# Altium PCB ЕРКФ.758725.093Д11_МОСК.PcbDoc (part 2 of 3)
Units mm, origin at the board's own origin, x right, y up, seen from the top; angles counter-clockwise.
Board outline 119 x 103.3 mm, 2 copper layers (Top, Bottom), stack 1.571 mm thick; 306 components, 217 nets, 981 pads, 395 vias.
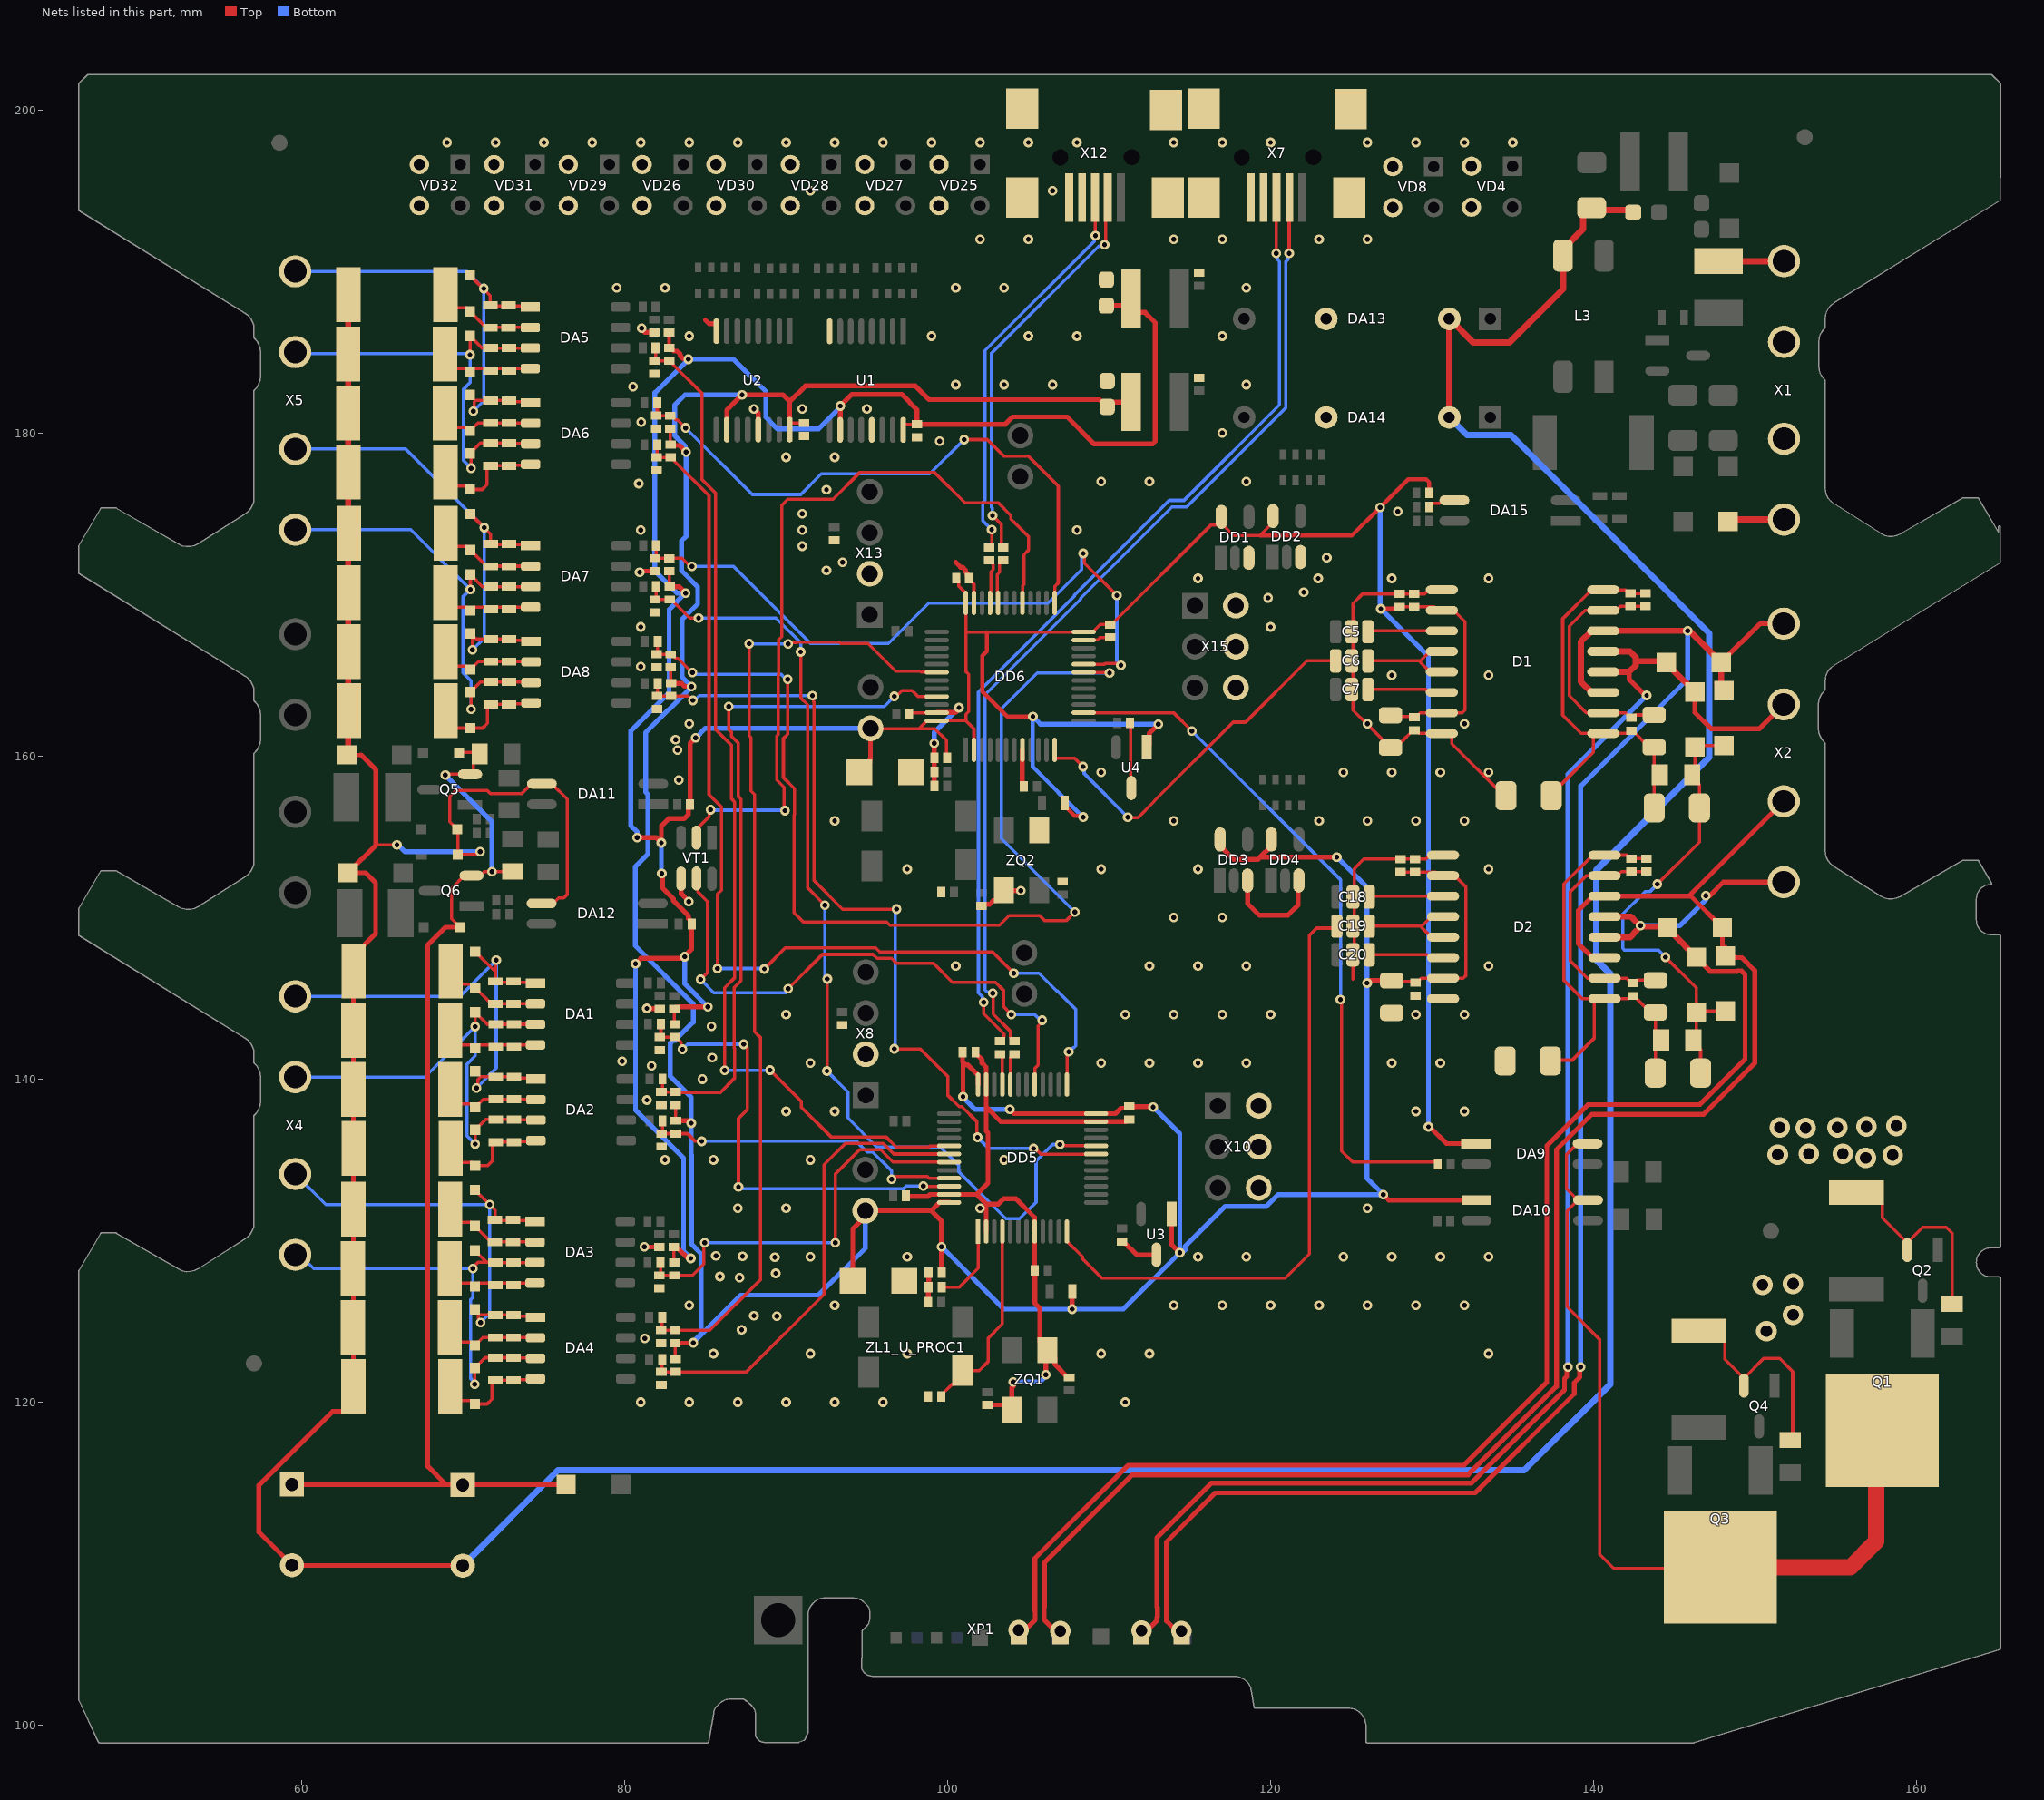
[diagram p2: the nets of this part, all layers, seen from the top]

## Via types
v1: diameter 0.6, hole 0.3, Top to Bottom, tented both sides, 377 vias
v2: diameter 1.27, hole 0.711, Top to Bottom, tented both sides, 18 vias

## Nets (pads, with @x,y where several pads share a name; then routed paths per layer and width w, separated by ;. In a path a pad name is that pad's centre, name@x,y a point inside that pad or via, vN(x,y) a via of type N, cw(c..) or ccw(c..) an arc to the next point about the centre after c; other vN are vias at no path point) (continued)
1out1_4: C54.2 DD6.20 R67.1 R71.1 | length 42.7
  Top w0.2: R71.1@81.945,173.049 81.945,172.325 C54.2@81.874,172.254 81.876,172.252 82.774,172.252 R67.1@82.776,172.25 83.55,172.25 84.05,171.75 v1(84.175,171.75) ; v1(108.4,172.55) 108.475,172.475 108.475,171.95 v1(110.475,169.95) ; DD6.20@108.426,165.687 109.714,165.687 109.776,165.75 110.492,165.75 110.617,165.625 v1(110.725,165.625)
  Bottom w0.2: v1(84.175,171.75) 86.739,171.75 91.514,166.975 96.326,166.975 98.826,169.475 106.225,169.475 108.3,171.55 108.3,172.45 v1(108.4,172.55) ; v1(110.475,169.95) 110.475,165.825 110.675,165.625 v1(110.725,165.625)
1out2_1: C28.2 DD6.45 R8.1 R13.1 | length 42.7
  Top w0.2: R13.1@82.345,139.999 82.345,139.275 C28.2@82.274,139.204 82.276,139.202 83.148,139.202 R8.1@83.151,139.2 83.175,139.175 85.925,139.175 86.8,140.05 86.8,141.888 86.779,141.908 86.779,145.673 87.2,146.094 87.2,157.346 87.025,157.521 87.025,160.814 86.625,161.214 86.625,161.472 86.45,161.647 v1(86.45,163.075) ; v1(96.7,163.7) 96.808,163.7 97.166,164.058 97.803,164.058 98.174,163.687 DD6.45@99.326,163.687
  Bottom w0.2: v1(86.45,163.075) 96.075,163.075 v1(96.7,163.7)
1out2_2: C36.2 DD6.42 R28.1 R33.1 | length 60.3
  Top w0.2: C36.2@82.249,124.454 82.32,124.525 R33.1@82.32,125.249 ; C36.2@82.32,124.452 83.123,124.452 R28.1@83.126,124.45 85.275,124.45 88.4,127.575 88.4,142.581 88.05,142.931 88.05,157.627 87.829,157.848 87.829,161.141 87.704,161.266 v1(87.704,166.958) ; v1(90.125,166.95) 90.202,167.027 90.628,167.027 90.651,167.05 93.3,167.05 93.375,166.975 95.061,166.975 96.778,165.258 98.3,165.258 98.356,165.203 99.31,165.203 DD6.42@99.326,165.187
  Bottom w0.2: v1(87.704,166.958) 87.708,166.954 90.121,166.954 v1(90.125,166.95)
1out2_3: C44.2 DD6.25 R48.1 R53.1 | length 37.7
  Top w0.2: R53.1@82.02,181.874 82.02,181.15 C44.2@81.949,181.079 81.951,181.077 82.823,181.077 R48.1@82.825,181.075 82.9,181.075 83.15,180.825 83.275,180.825 v1(83.775,180.325) ; v1(101.025,179.6) 102.454,179.6 103.479,178.575 105,178.575 106.85,176.725 106.85,170.726 106.641,170.517 106.641,169.503 DD6.25@106.626,169.487
  Bottom w0.2: v1(83.775,180.325) 87.9,176.2 90.907,176.2 92.177,177.47 98.895,177.47 v1(101.025,179.6)
1out2_4: C52.2 DD6.19 R68.1 R73.1 | length 66.5
  Top w0.2: R73.1@82.045,167.099 82.045,166.375 C52.2@81.974,166.304 81.976,166.302 82.849,166.302 R68.1@82.851,166.3 82.926,166.3 83.176,166.05 83.3,166.05 84.178,165.172 v1(84.197,165.172) ; v1(90.1,164.75) 90.1,161.359 89.829,161.088 89.829,158.676 90.525,157.98 90.525,156.376 90.5,156.351 90.5,150.284 91.064,149.72 96.228,149.72 96.416,149.532 103.215,149.532 103.797,150.115 105.703,150.115 106.018,149.8 107.325,149.8 v1(107.875,150.35) ; DD6.19@108.426,165.187 108.441,165.172 110.003,165.172 v1(110.025,165.15)
  Bottom w0.2: v1(84.197,165.172) 84.294,165.075 89.667,165.075 89.992,164.75 v1(90.1,164.75) ; v1(107.875,150.35) 103.325,154.9 103.325,162.925 105.55,165.15 v1(110.025,165.15)
2out1_1: C34.2 DD5.46 R17.1 R21.1 | length 28.9
  Top w0.2: C34.2@82.174,142.599 R17.1@83.099,142.599 83.174,142.599 83.498,142.274 83.498,141.927 v1(83.575,141.85) ; C34.2@82.245,142.67 R21.1@82.245,143.399 ; v1(87.05,133.325) 87.05,137.567 87.6,138.117 87.6,141.95 87.393,142.157 v1(87.379,142.157) ; v1(98.5,133.375) 98.513,133.362 DD5.46@100.088,133.362
  Bottom w0.2: v1(83.575,141.85) 83.882,142.157 v1(87.379,142.157) ; v1(87.05,133.325) 87.175,133.2 97.247,133.2 97.422,133.375 v1(98.5,133.375)
2out1_2: C42.2 DD5.43 R37.1 R41.1 | length 25.4
  Top w0.2: C42.2@82.149,127.849 R37.1@83.074,127.849 84.199,127.849 84.9,128.55 84.9,129.812 v1(84.963,129.875) ; C42.2@82.22,127.92 R41.1@82.22,128.649 ; v1(93.05,129.875) 93.05,134.125 94.55,135.625 95.848,135.625 96.611,134.862 DD5.43@100.088,134.862
  Bottom w0.2: v1(84.963,129.875) v1(93.05,129.875)
2out1_3: C50.2 DD5.41 R57.1 R61.1 | length 63.6
  Top w0.2: C50.2@81.849,184.474 R57.1@82.774,184.474 82.849,184.474 82.999,184.324 82.999,184.249 84.8,182.448 84.8,177.114 85.625,176.289 85.625,161.649 86.625,160.649 86.625,157.355 86.8,157.18 86.8,146.259 86.2,145.659 v1(86.2,140.55) ; C50.2@81.92,184.545 R61.1@81.92,185.274 ; v1(89.004,140.557) 90.928,138.633 90.928,138.272 92.775,136.425 96.18,136.425 96.805,135.8 98.864,135.8 98.927,135.862 DD5.41@100.088,135.862
  Bottom w0.2: v1(86.2,140.55) 86.203,140.553 89.001,140.553 v1(89.004,140.557)
2out1_4: C58.2 DD5.20 R77.1 R81.1 | length 63.1
  Top w0.2: C58.2@81.874,169.699 R77.1@82.799,169.699 82.874,169.699 84.024,168.55 v1(84.575,168.55) ; C58.2@81.945,169.77 R81.1@81.945,170.499 ; v1(90.9,166.45) 90.9,163.6 91.325,163.175 91.325,151.85 v1(92.4,150.775) ; v1(92.525,140.5) 92.55,140.525 v1(92.55,146.2) ; v1(106.95,135.95) 107.022,135.878 109.172,135.878 DD5.20@109.188,135.862
  Bottom w0.2: v1(84.575,168.55) 89.374,168.55 90.9,167.024 v1(90.9,166.45) ; v1(92.4,150.775) 92.4,146.35 v1(92.55,146.2) ; v1(92.525,140.5) 93.825,139.2 93.825,137.586 95.611,135.8 99.538,135.8 100.674,134.663 100.674,134.277 103.601,131.35 104.45,131.35 105.475,132.375 105.475,134.925 106.5,135.95 v1(106.95,135.95)
2out2_1: C33.2 DD5.45 R18.1 R23.1 | length 20.2
  Top w0.2: R23.1@82.345,137.411 82.345,136.669 C33.2@82.299,136.624 R18.1@83.174,136.624 83.901,136.624 84.375,136.15 v1(84.775,136.15) ; v1(96.525,133.8) 96.633,133.8 96.808,133.975 98.749,133.975 98.861,133.862 DD5.45@100.088,133.862
  Bottom w0.2: v1(84.775,136.15) 94.35,136.15 95.01,135.49 95.356,135.49 96.525,134.321 v1(96.525,133.8)
2out2_2: C41.2 DD5.42 R38.1 R43.1 | length 29.5
  Top w0.2: R43.1@82.32,122.661 82.32,121.919 C41.2@82.274,121.874 R38.1@83.149,121.874 87.549,121.874 92.35,126.675 92.35,134.7 93.675,136.025 96.014,136.025 96.677,135.362 DD5.42@100.088,135.362
2out2_3: C49.2 DD5.25 R58.1 R63.1 | length 64
  Top w0.2: R63.1@82.02,179.286 82.02,178.545 C49.2@81.974,178.499 R58.1@82.849,178.499 82.924,178.499 83.074,178.349 83.074,178.274 85.225,176.123 85.225,157.624 86,156.849 86,151.701 85.75,151.451 v1(85.75,146.85) ; v1(88.65,146.825) 89.945,148.12 95.546,148.12 95.791,147.875 102.775,147.875 v1(104.1,146.55) ; DD5.25@107.388,139.662 107.388,141.479 107.5,141.592 v1(107.5,141.7)
  Bottom w0.2: v1(85.75,146.85) 88.625,146.85 v1(88.65,146.825) ; v1(104.1,146.55) 105.65,146.55 106.75,145.45 106.799,145.45 107.925,144.324 107.925,142.067 107.808,141.95 107.775,141.95 107.525,141.7 v1(107.5,141.7)
2out2_4: C57.2 DD5.19 R78.1 R83.1 | length 53.1
  Top w0.2: R83.1@82.045,164.511 82.045,163.77 C57.2@82,163.724 R78.1@82.874,163.724 83.951,163.724 v1(84.222,163.453) ; v1(91.625,163.75) 91.702,163.673 91.702,163.364 91.725,163.341 91.725,152.299 93.504,150.52 96.817,150.52 v1(96.83,150.532) ; v1(96.7,141.875) 98.299,141.875 100,140.174 100,139.013 100.711,138.302 100.88,138.302 101.8,137.382 101.8,136.45 v1(101.85,136.4) ; v1(105.325,135.7) 105.433,135.7 105.783,135.35 109.175,135.35 DD5.19@109.188,135.362
  Bottom w0.2: v1(84.222,163.453) 84.33,163.453 84.627,163.75 v1(91.625,163.75) ; v1(96.7,141.875) 96.765,141.94 96.765,150.467 v1(96.83,150.532) ; v1(101.85,136.4) 102.55,135.7 v1(105.325,135.7)
3v_1: C1.1 C2.2 C8.2 C10.2 C59.1 C73.1 C74.1 C75.1 C76.2 C93.2 D1.2 D1.7 DA9.1 DD1.5 DD2.5 DD6.2 DD6.24 DD6.36 DD6.48 L2.1 L5.2 R7.2 R17.2 R27.2 R37.2 R47.2 R57.2 R67.2 R77.2 R114.1 R117.1 R120.2 U1.10 U1.16 U4.1 X11.1 | length 291.9
  Top w0.2: R47.2@82.751,186.225 82.751,185.298 R57.2@82.774,185.274 ; R77.2@82.776,170.523 R67.2@82.776,171.45 ; R27.2@83.05,129.6 83.05,128.672 R37.2@83.074,128.649 ; R7.2@83.075,144.35 83.075,143.422 R17.2@83.099,143.399 ; C76.2@94.525,159 C76.2@94.65,158.875 ; X11.1@95.225,161.725 95.25,161.7 98.228,161.7 ; U1.16@97.2,180.25 97.2,180.431 97.319,180.55 C59.1@98.1,180.55 ; C75.1@99.975,159.9 99.925,159.95 99.925,160.975 99.2,161.7 98.228,161.7 ; C73.1@100.525,171.025 100.675,170.875 100.675,170.548 101.126,170.097 DD6.36@101.126,169.487 101.126,167.625 ; DD6.2@101.626,160.387 101.626,161.699 101.138,162.187 ; DD2.5@120.15,174.865 120.15,174.465 119.335,173.65 117.715,173.65 116.95,174.415 116.854,174.319 116.319,174.319 110.15,168.15 C74.1@110.075,168.15 109.45,168.15 109.051,167.751 109.051,167.724 109.014,167.687 DD6.24@108.426,167.687 102.425,167.687 101.188,167.687 101.126,167.625 ; C8.2@127.425,162.525 127.488,162.463 128.837,162.463 C10.2@128.9,162.4 128.975,162.4 129.25,162.675 D1.7@130.599,162.675 131.85,162.675 132.025,162.85 132.025,168.324 131.324,169.025 D1.2@130.599,169.025 ; C1.1@127.975,169.25 C2.2@128.875,169.25 130.125,169.25 D1.2@130.475,168.9 ; 98.228,161.7 98.716,162.187 DD6.48@99.326,162.187 101.138,162.187 ; 101.125,167.624 101.125,165.244 101.3,165.069 101.3,162.751 101.138,162.589 101.138,162.187
  Top w0.254: 102.425,167.687 102.425,166.488 102.148,166.211 102.148,164.002 103.7,162.45 v1(105.275,162.45) ; L2.1@107.25,157.1 107.25,156.9 107.859,156.291 108.334,156.291 v1(108.4,156.225) ; 119.335,173.65 125.025,173.65 v1(126.774,175.399) 128.523,177.148 129.627,177.148 129.825,176.95 R120.2@129.825,176.3
  Top w0.3: v1(80.675,147.15) 81.001,147.475 83.825,147.475 v1(83.725,147.575) 83.725,147.625 84.15,148.05 R117.1@84.15,149.6 84.05,149.7 84.05,149.85 83.95,149.95 83.95,150.105 83.025,151.03 83.025,151.154 82.357,151.822 82.357,152.668 v1(82.3,152.725) ; v1(80.779,154.958) 81.942,154.958 v1(82.275,154.625) 82.275,155.675 82.725,156.125 83.675,156.125 83.95,156.4 83.95,156.899 R114.1@84.05,156.999 84.05,160.775 v1(84.4,161.125) ; R57.2@82.774,185.274 82.849,185.274 83.049,185.074 83.244,185.074 83.449,184.869 83.449,184.776 83.625,184.6 83.925,184.6 v1(83.95,184.575) ; R77.2@82.776,170.523 82.817,170.482 83.393,170.482 v1(83.775,170.1) ; R27.2@83.05,129.6 83.15,129.5 83.325,129.5 83.925,128.9 v1(84.1,128.9) ; R7.2@83.075,144.35 83.175,144.45 83.401,144.45 83.426,144.475 v1(85.15,144.475) ; U1.10@93.35,180.201 v1(93.35,181.675) 94.075,182.4 97.15,182.4 98.1,181.45 C59.1@98.1,180.55 103.573,180.55 104.024,181 107.4,181 109.075,179.325 112.674,179.325 112.85,179.501 112.85,186.85 112.224,187.476 111.8,187.476 111.35,187.926 L5.2@111.35,188.35 110.9,187.9 C93.2@109.825,187.9 ; C76.2@94.525,159 95.175,159.65 95.175,159.776 95.225,159.826 X11.1@95.225,161.725 ; U4.1@112.325,160.55 112.475,160.7 112.475,161.4 v1(113.05,161.975) ; v1(126.825,169.125) 127.624,169.125 127.649,169.15 127.875,169.15 C1.1@127.975,169.25 ; v1(129.775,137.05) 129.825,137 129.9,137 130.89,136.01 DA9.1@132.725,136.01
  Bottom w0.254: v1(105.275,162.45) 105.275,159.325 108.375,156.225 v1(108.4,156.225)
  Bottom w0.3: v1(80.675,147.15) 80.675,138.075 83.65,135.1 83.65,129.35 v1(84.1,128.9) ; v1(80.779,154.958) 80.779,155.296 80.375,155.7 80.375,161.55 82.75,163.925 82.75,169.075 v1(83.775,170.1) 83.228,170.1 81.874,171.454 81.874,182.499 v1(83.95,184.575) 86.75,184.575 88.75,182.575 88.75,180.975 89.475,180.25 92,180.25 93.35,181.6 v1(93.35,181.675) ; v1(82.275,154.625) 82.275,152.75 v1(82.3,152.725) ; v1(83.725,147.575) 83.725,145.9 v1(85.15,144.475) ; v1(84.4,161.125) 85,161.725 X11.1@95.225,161.725 ; v1(105.275,162.45) 105.75,161.975 v1(113.05,161.975) ; v1(126.774,175.399) 126.774,169.176 v1(126.825,169.125) 129.775,166.175 v1(129.775,137.05)
3v_2: C14.1 C15.2 C21.2 C23.2 C60.1 C61.1 C62.1 C63.1 C64.2 C97.2 D2.2 D2.7 DA10.1 DD3.5 DD4.5 DD5.24 DD5.36 DD5.48 L1.1 L6.2 R8.2 R18.2 R28.2 R38.2 R48.2 R58.2 R68.2 R78.2 U2.10 U2.16 U3.1 X6.1 | length 253.4
  Top w0.2: R48.2@82.825,180.275 82.825,179.323 R58.2@82.849,179.299 ; R68.2@82.851,165.5 82.851,164.548 R78.2@82.874,164.524 ; R28.2@83.126,123.65 83.126,122.697 R38.2@83.149,122.674 ; R8.2@83.151,138.4 83.151,137.447 R18.2@83.174,137.424 ; U2.16@90.225,180.556 90.294,180.625 C60.1@91.1,180.625 ; C21.2@127.5,146.099 127.562,146.037 128.912,146.037 C23.2@128.975,145.975 129.05,145.975 129.324,146.249 D2.7@130.674,146.249 131.924,146.249 132.1,146.424 132.1,151.898 131.399,152.599 D2.2@130.674,152.599 ; C14.1@128.05,152.824 C15.2@128.95,152.824 130.2,152.824 D2.2@130.55,152.475
  Top w0.3: R58.2@82.849,179.299 82.916,179.232 83.393,179.232 v1(83.8,178.825) ; R78.2@82.874,164.524 82.899,164.5 83.525,164.5 83.707,164.318 84.132,164.318 v1(84.15,164.3) ; R28.2@83.126,123.65 84.225,123.65 v1(84.25,123.675) ; R18.2@83.174,137.424 83.976,137.424 v1(84.125,137.275) ; U2.10@86.325,180.214 86.325,181.425 v1(87.275,182.375) 89.8,182.375 90.225,181.95 ; U2.16@90.225,180.214 90.225,180.556 90.225,181.95 ; C64.2@94.2,127.425 C64.2@94.125,127.5 94.125,130.725 95.25,131.85 98.985,131.85 ; C61.1@99.625,128.025 v1(99.625,129.618) 99.625,131.21 98.985,131.85 ; DD5.48@100.088,132.362 99.498,132.362 98.985,131.85 ; C62.1@100.925,141.675 100.925,141.075 100.95,141.05 ; v1(100.955,138.907) 100.95,138.912 100.95,141.05 ; DD5.36@101.888,139.662 101.888,140.252 101.265,140.875 101.125,140.875 100.95,141.05 ; v1(103.85,138.125) 104.113,137.862 DD5.24@109.188,137.862 110.388,137.862 110.725,138.2 111.15,138.2 C63.1@111.25,138.3 111.263,138.288 112.712,138.288 v1(112.725,138.275) ; v1(107.7,125.75) 107.713,125.763 107.713,126.837 L1.1@107.725,126.85 ; L6.2@111.35,181.925 110.197,181.925 109.897,181.625 C97.2@109.875,181.625 109.853,181.625 109.403,182.075 98.85,182.075 98,182.925 91.2,182.925 90.225,181.95 ; U3.1@113.875,131.65 113.875,129.75 v1(114.375,129.25) ; DD3.5@116.875,154.839 116.875,154.439 117.714,153.6 119.211,153.6 119.361,153.75 ; DD4.5@120.05,154.839 120.05,154.439 119.361,153.75 ; v1(124.1,153.75) 122.051,153.75 122.04,153.739 121.46,153.739 121.449,153.75 119.361,153.75 ; v1(125.975,145.95) 126.124,146.099 C21.2@127.5,146.099 ; v1(126.975,132.85) 127.315,132.51 DA10.1@132.749,132.51
  Bottom w0.3: v1(87.275,182.375) 83.75,182.375 83.1,181.725 83.1,179.85 83.743,179.207 83.743,178.882 v1(83.8,178.825) 83.8,173.6 83.525,173.325 83.525,171.481 84.525,170.481 84.525,169.419 83.547,168.441 83.547,164.903 v1(84.15,164.3) 81.3,161.45 81.3,157.771 81.429,157.642 81.429,153.927 80.65,153.148 80.65,148.268 84.25,144.668 84.25,143.525 83.125,142.4 83.001,142.4 82.825,142.224 82.825,140.175 84.125,138.875 v1(84.125,137.275) 84.125,135.332 84.15,135.307 84.15,129.769 84.75,129.169 84.75,124.236 84.25,123.736 v1(84.25,123.675) 87.2,126.625 92,126.625 94.9,129.525 X6.1@94.9,131.85 ; v1(99.625,129.618) 103.493,125.75 v1(107.7,125.75) 110.875,125.75 v1(114.375,129.25) ; v1(100.955,138.907) 100.955,138.87 101.7,138.125 v1(103.85,138.125) ; v1(112.725,138.275) 114.375,136.625 v1(114.375,129.25) ; v1(124.1,153.75) 125.975,151.875 v1(125.975,145.95) 125.975,133.85 v1(126.975,132.85) 120.471,132.85 119.741,132.12 117.195,132.12 114.7,129.625 114.7,129.426 114.674,129.4 114.606,129.4 114.456,129.25 v1(114.375,129.25)
24+: C94.1 C95.1 Q5.3 Q6.3 R113.2 R116.2 VD39.K VD42.K VD48.K | length 71.7
  Top w0.2: v1(68.9,158.825) 68.95,158.875 Q5.3@70.426,158.875 70.441,158.875 70.625,159.06 70.625,159.724 R113.2@71.025,160.124 70.924,160.226 VD39.K@69.74,160.226 ; VD42.K@69.79,149.4 69.275,149.915 69.275,151.813 70.068,152.606 Q6.3@70.518,152.606 71.076,152.606 71.326,152.856 R116.2@73.079,152.856
  Top w0.3: C95.1@59.4,114.9 68.925,114.9 ; VD42.K@69.79,149.4 68.9,149.4 67.8,148.3 67.8,116.025 68.925,114.9 ; C94.1@69.975,114.875 C94.1@69.975,114.9 ; VD48.K@76.375,114.9 C94.1@69.975,114.9 ; 68.925,114.9 C94.1@69.975,114.9
  Bottom w0.3: v1(68.9,158.825) 71.775,155.95 v1(71.775,152.85)
24-: C90.1 C91.1 C94.2 C95.2 DA11.3 DA12.3 DA13.2 DA14.2 L3.3 R10.1 R15.1 R20.1 R25.1 R30.1 R35.1 R40.1 R45.1 R50.1 R55.1 R60.1 R65.1 R70.1 R75.1 R80.1 R85.1 VD40.A VD41.A VD43.A VD44.A | length 350.1
  Top w0.2: VD40.A@62.8,160.076 62.8,173.8 62.8,181.25 62.8,188.475 R50.1@62.899,188.575 ; R45.1@63.199,120.975 63.224,121 R25.1@63.224,135.725 R10.1@63.224,146.699 ; 64.599,154.5 v1(65.9,154.5) ; v1(71.05,154.075) 70.942,154.075 70.766,153.9 VD44.A@69.665,153.9 69.665,155.45 VD41.A@69.64,155.475 69.175,155.94 69.175,157.5 69.55,157.875 71.487,157.875 71.687,157.675 73.625,157.675 74.234,158.284 DA11.3@74.875,158.284 75.5,158.284 76.45,157.335 76.45,151.425 76.234,151.209 75.908,151.209 75.584,150.885 DA12.3@74.85,150.885
  Top w0.254: VD40.A@62.8,160.076 63.674,160.076 ; VD43.A@62.875,152.775 63.95,152.775
  Top w0.3: VD40.A@62.8,160.076 62.899,160.175 62.899,166.475 R65.1@62.899,177.6 R50.1@62.899,188.575 ; VD43.A@62.875,152.775 64.599,154.5 64.599,159.151 63.674,160.076 ; R10.1@63.224,146.699 R10.1@63.224,147.174 ; 63.95,152.775 64.575,152.15 64.575,149 63.224,147.649 R10.1@63.224,147.174 ; C94.2@69.975,109.875 69.963,109.888 59.412,109.888 C95.2@59.4,109.9 57.35,111.95 57.35,114.845 61.93,119.425 62.599,119.425 63.199,120.025 R45.1@63.199,120.975 63.199,128.274 R30.1@63.199,131.949 R20.1@63.199,139.375 R15.1@63.199,143.024 63.199,147.149 R10.1@63.224,147.174
  Top w0.4: DA14.2@131.06,180.975 DA13.2@131.06,187.075 131.085,187.075 132.56,185.6 134.775,185.6 138.105,188.93 L3.3@138.105,191 138.105,191.4 139.351,192.646 139.351,193.509 139.791,193.95 C90.1@139.875,193.95 140.012,193.812 142.313,193.812 C91.1@142.45,193.675
  Bottom w0.3: v1(65.9,154.5) 65.981,154.5 66.406,154.075 v1(71.05,154.075)
  Bottom w0.4: C94.2@69.975,109.875 75.875,115.775 135.7,115.775 141.025,121.1 141.025,146.525 140.154,147.396 140.154,152.929 147.15,159.925 147.15,167.6 134.875,179.875 132.16,179.875 DA14.2@131.06,180.975
485_1_N: D1.12 D1.13 VD1.K VD2.K X2.2 XP1.2 | length 99.9
  Top w0.3: XP1.2@112,105.5 112.95,106.45 112.95,106.679 112.996,106.725 112.996,107.276 112.95,107.322 112.95,111.597 116.328,114.975 132.408,114.975 138.2,120.767 138.2,121.449 138.343,121.592 138.343,122.118 v1(138.4,122.175) ; 142.191,165.215 142.191,164.764 143.031,163.925 143.034,163.925 143.201,163.758 v1(143.282,163.758) ; VD2.K@146.275,163.975 146.275,162.7 147.275,161.7 150.276,161.7 X2.2@151.776,163.2